# Altium PCB RS2-708_V009.PcbDoc (part 1 of 4) (continued)
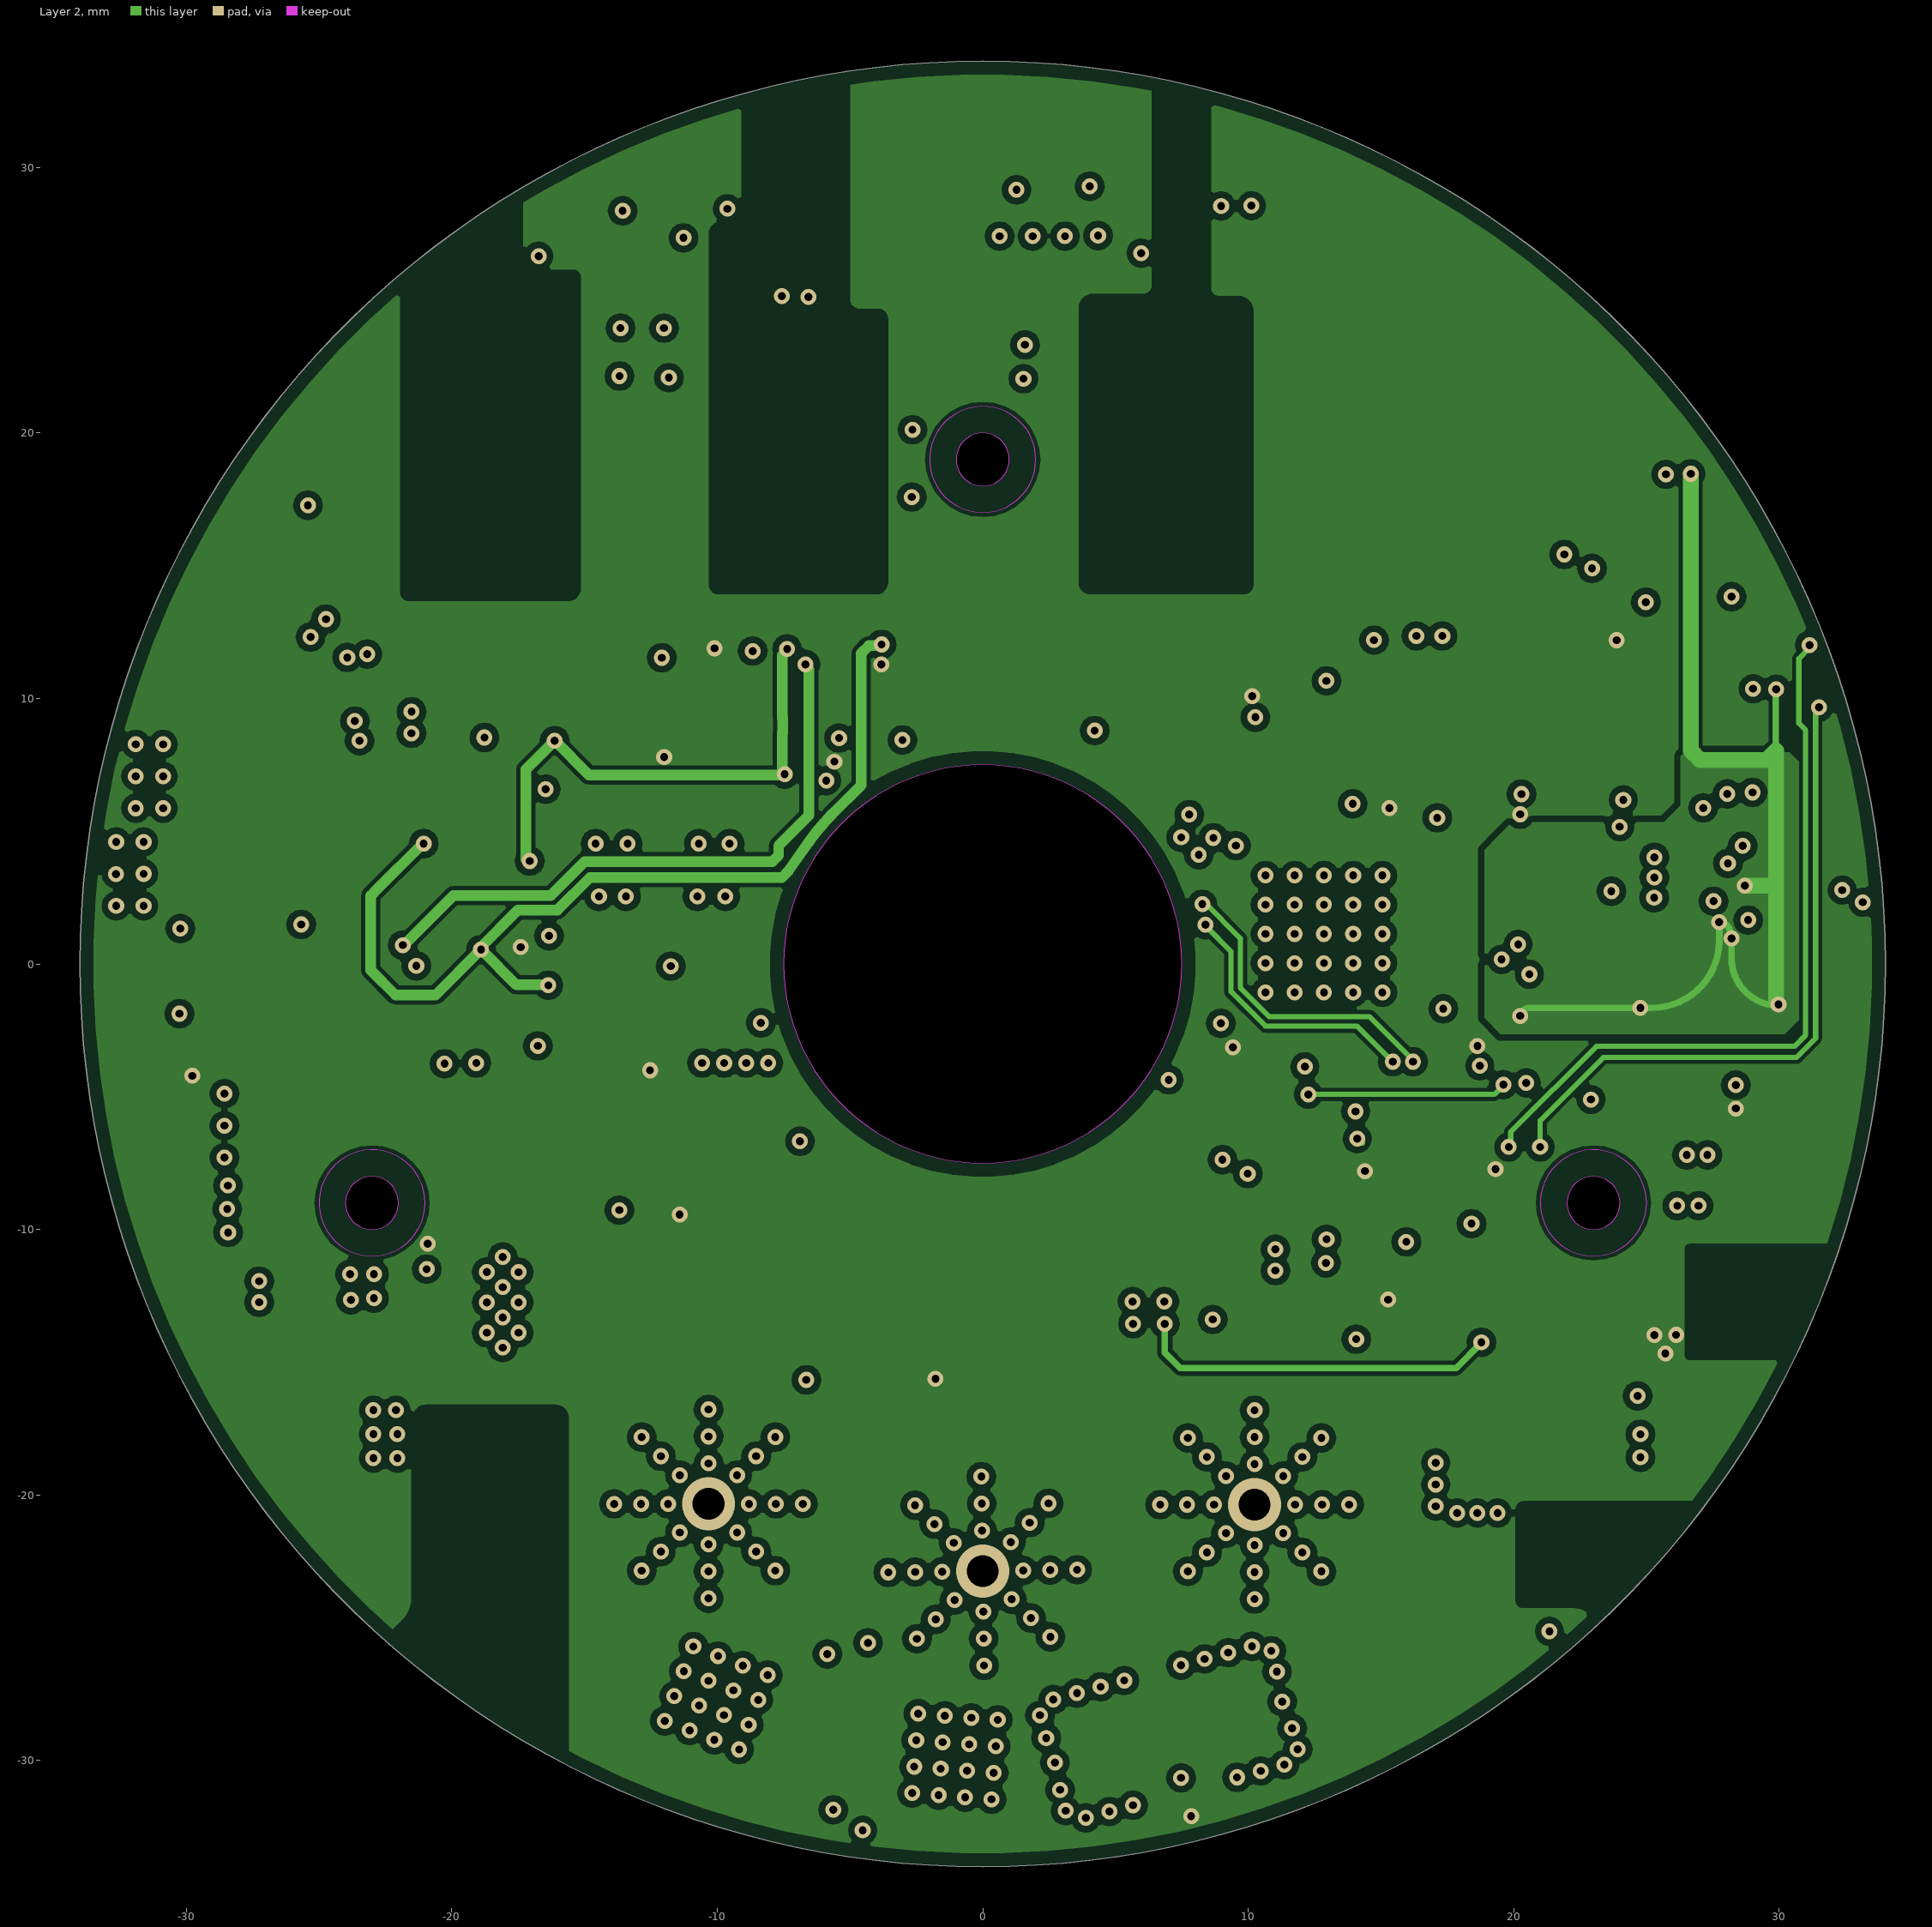
[diagram p3: Layer 2]
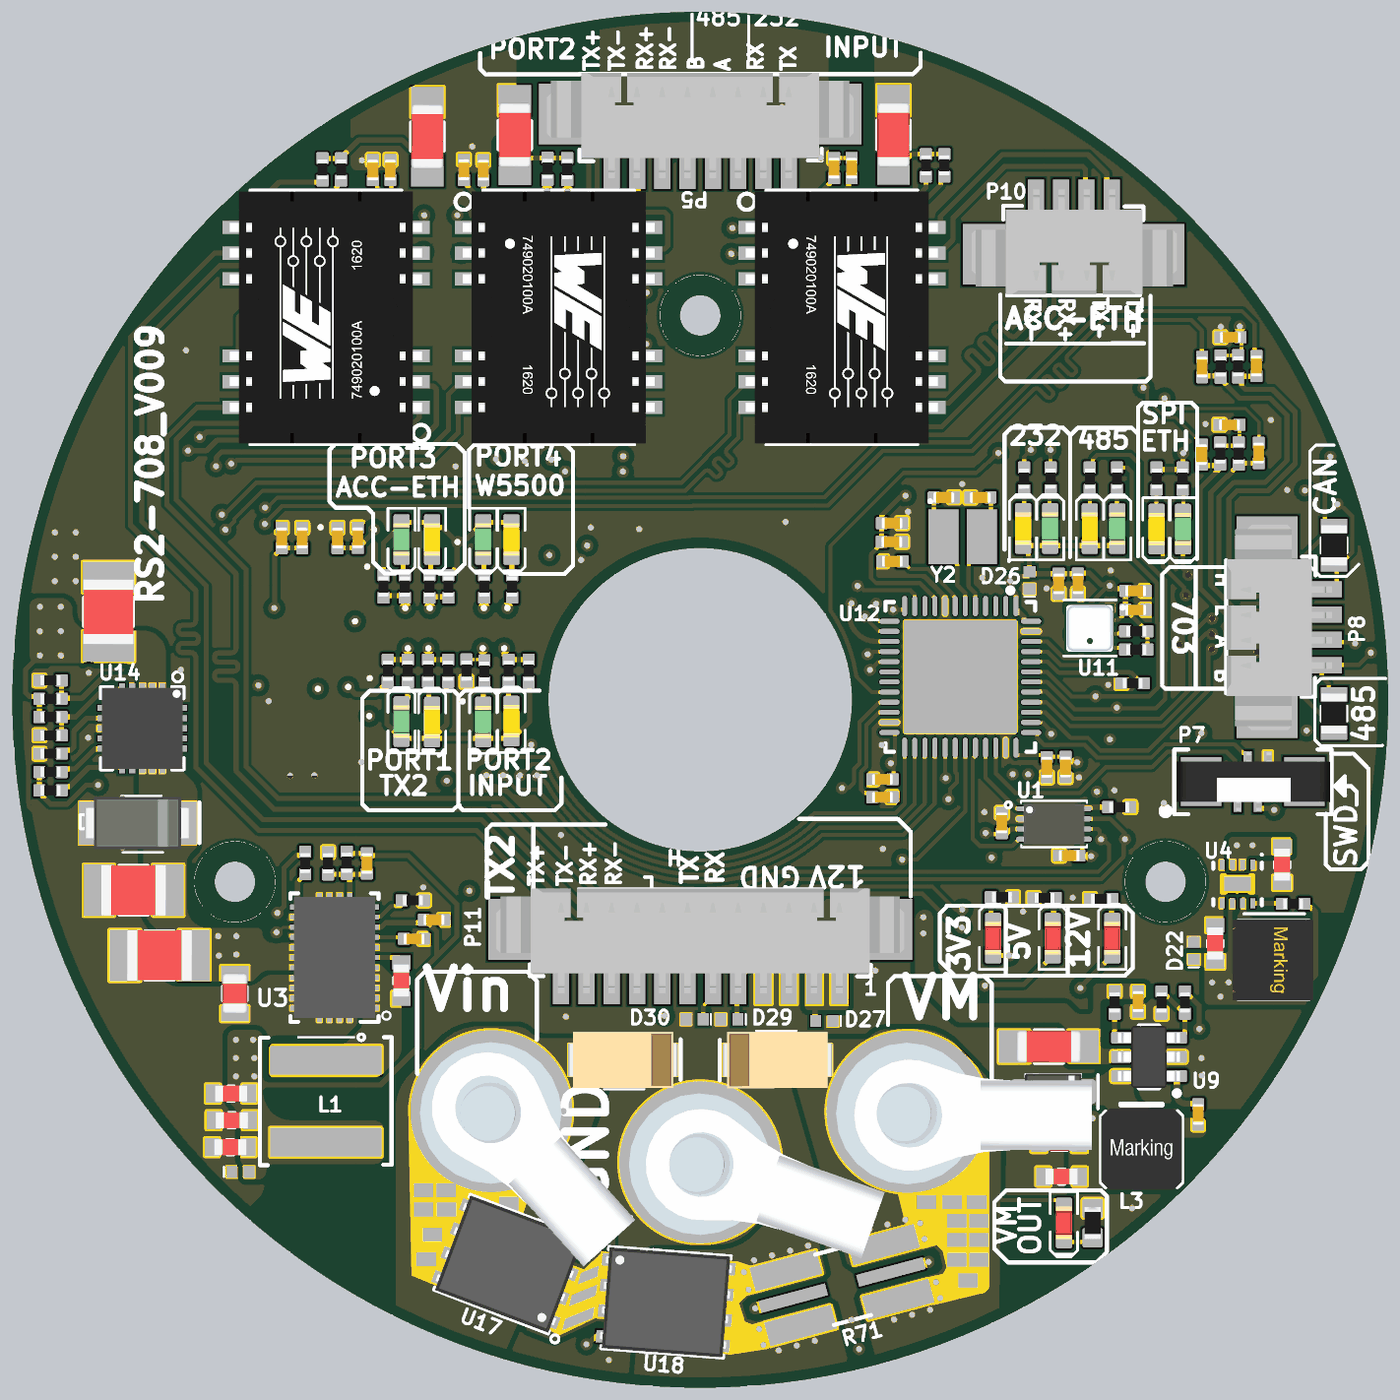
[diagram p7: 3D render of the assembled board from above, using the file's embedded part models]
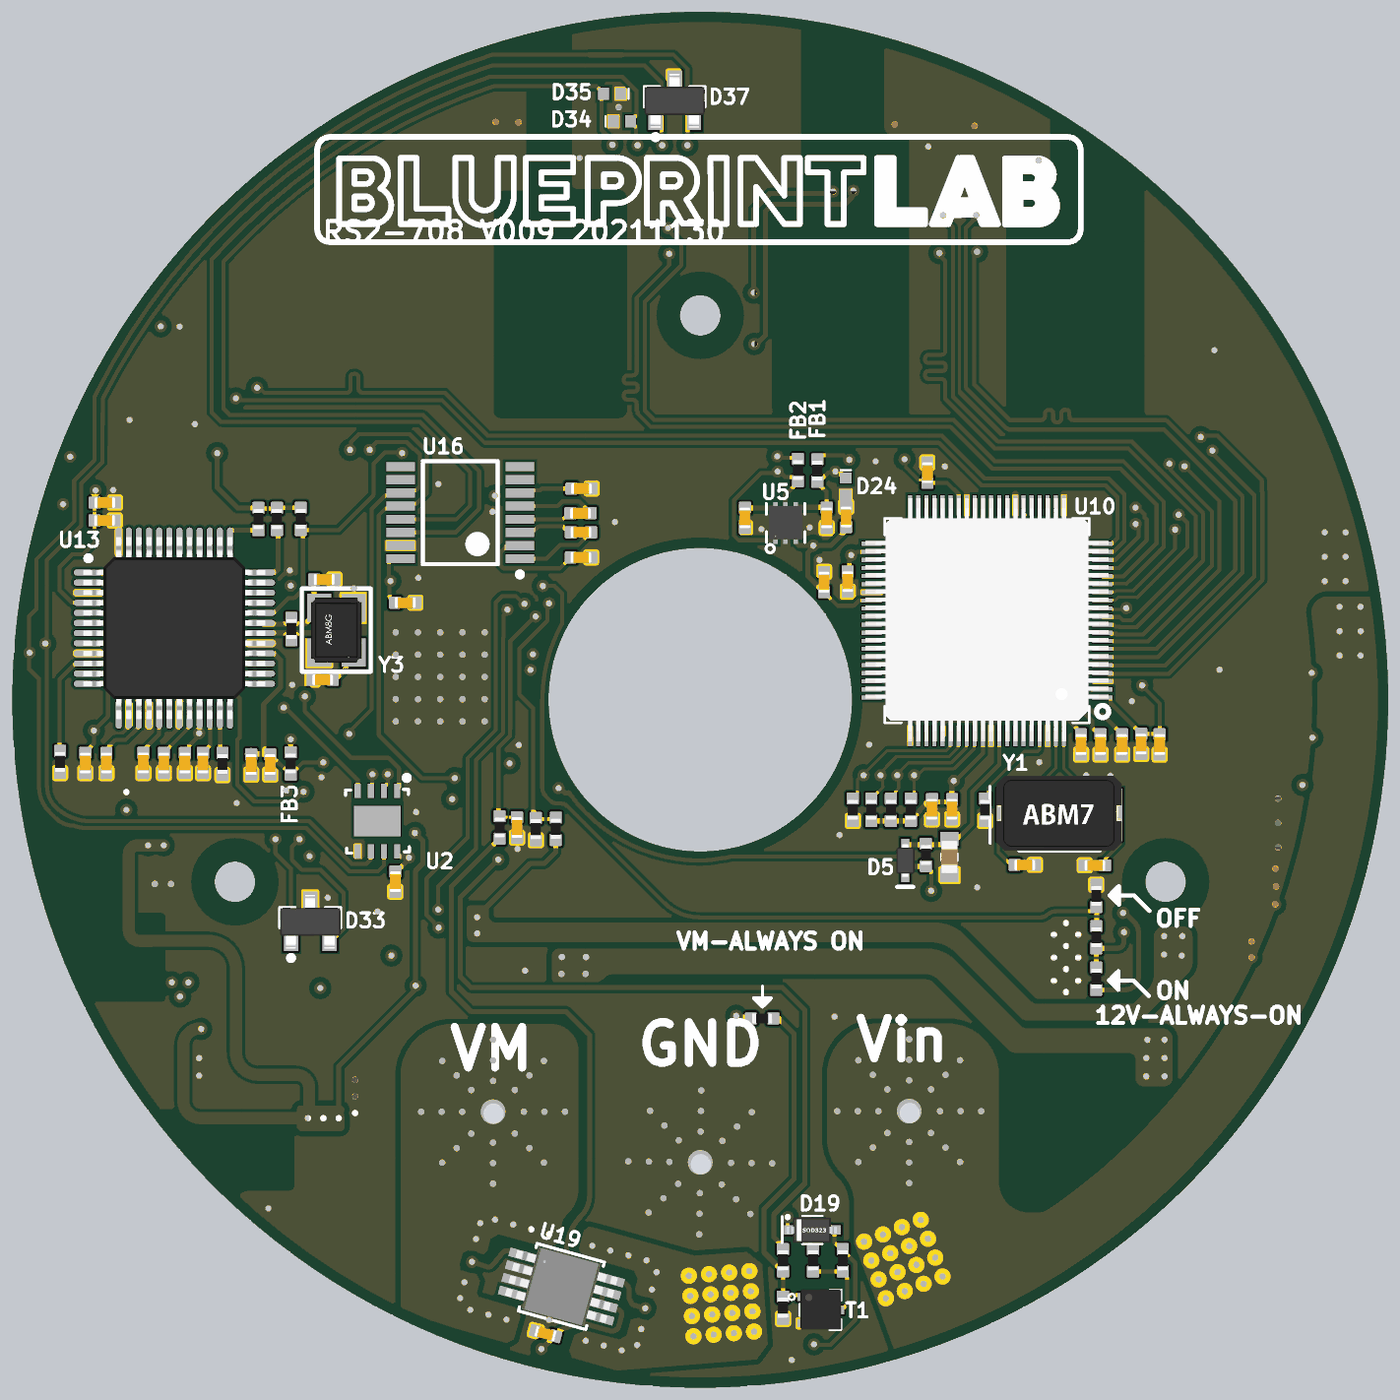
[diagram p8: 3D render of the assembled board from below, using the file's embedded part models]

## Layer stack, top to bottom
Top Solder: solder mask 0.0102, Solder Resist, Dk 3.5
Top Layer: signal copper 0.0356
Dielectric 2: prepreg 0.0711, PP-006, Dk 4.1
Layer 1: signal copper 0.035
Dielectric 1: dielectric 0.5, FR-4, Dk 4.8
Layer 2: signal copper 0.035
Dielectric 3: prepreg 0.0711, PP-006, Dk 4.1
Bottom Layer: signal copper 0.0356
Bottom Solder: solder mask 0.0102, Solder Resist, Dk 3.5

## Board outline
-34,0 ccw(c0,0) 0,-34 ccw(c0,0) 34,0 ccw(c0,0) 0,34 ccw(c0,0)
cut-out: -7.5,0 ccw(c0,0) 0,-7.5 ccw(c0,0) 7.5,0 ccw(c0,0) 0,7.5 ccw(c0,0)
cut-out: 22,-9 ccw(c23,-9) 23,-10 ccw(c23,-9) 24,-9 ccw(c23,-9) 23,-8 ccw(c23,-9)
cut-out: -24,-9 ccw(c-23,-9) -23,-10 ccw(c-23,-9) -22,-9 ccw(c-23,-9) -23,-8 ccw(c-23,-9)
cut-out: -1,19 ccw(c0,19) 0,18 ccw(c0,19) 1,19 ccw(c0,19) 0,20 ccw(c0,19)

## Design rules (kind name [scope] priority, off if disabled: settings)
BoardOutlineClearance [All] p1: gap=0.3 ignorepadtopadclearanceinfootprint=FALSE except(0: Region-OutlineEdge Region-CavityEdge Region-CutoutEdge Region-SplitBarrior Region-SplitContinuation Text-OutlineEdge Text-CavityEdge Text-CutoutEdge Text-SplitBarrior Text-SplitContinuation; 0.5: Poly-OutlineEdge Poly-CavityEdge Poly-CutoutEdge Poly-SplitBarrior Poly-SplitContinuation)
Clearance [All] p1: gap=0.15 ignorepadtopadclearanceinfootprint=FALSE except(0.1: SMDPad-SMDPad; 0.25: THPad-Fill THPad-Poly THPad-Region Via-Fill Via-Poly Via-Region Fill-Fill Fill-Poly Fill-Region Poly-Poly Poly-Region Region-Region)
ComponentClearance [HasFootprint('Power_M3_Eyelet_Up')] p1: gap=0 collisioncheckmode=3 verticalgap=0 showdistances=FALSE
ComponentClearance ComponentClearance_1 [All] p2: gap=0.254 collisioncheckmode=3 verticalgap=0.254 showdistances=FALSE
DiffPairsRouting "Schematic Differential Pairs Routing_5" [InNet('B_TX+')] p1: maxlimit=0.25 minlimit=0.15 mostfreqgap=0.2 toplayer_minwidth=0.15 toplayer_maxwidth=0.2 toplayer_prefwidth=0.2 midlayer1_mingap=0.2 midlayer1_minwidth=0.25 midlayer1_maxwidth=0.25 midlayer1_prefwidth=0.25 midlayer2_mingap=0.2 midlayer2_minwidth=0.25 midlayer2_maxwidth=0.25 midlayer2_prefwidth=0.25 bottomlayer_minwidth=0.15 bottomlayer_maxwidth=0.2 bottomlayer_prefwidth=0.2 maxuncoupledlength=10
DiffPairsRouting "Schematic Differential Pairs Routing_3" [InNet('B_RX+')] p2: maxlimit=0.25 minlimit=0.15 mostfreqgap=0.2 toplayer_minwidth=0.15 toplayer_maxwidth=0.2 toplayer_prefwidth=0.2 midlayer1_mingap=0.2 midlayer1_minwidth=0.25 midlayer1_maxwidth=0.25 midlayer1_prefwidth=0.25 midlayer2_mingap=0.2 midlayer2_minwidth=0.25 midlayer2_maxwidth=0.25 midlayer2_prefwidth=0.25 bottomlayer_minwidth=0.15 bottomlayer_maxwidth=0.2 bottomlayer_prefwidth=0.2 maxuncoupledlength=10
DiffPairsRouting "Schematic Differential Pairs Routing_2" [InNet('D_RD_N')] p3: maxlimit=0.25 minlimit=0.15 mostfreqgap=0.2 toplayer_minwidth=0.15 toplayer_maxwidth=0.2 toplayer_prefwidth=0.2 midlayer1_mingap=0.2 midlayer1_minwidth=0.25 midlayer1_maxwidth=0.25 midlayer1_prefwidth=0.25 midlayer2_mingap=0.2 midlayer2_minwidth=0.25 midlayer2_maxwidth=0.25 midlayer2_prefwidth=0.25 bottomlayer_minwidth=0.15 bottomlayer_maxwidth=0.2 bottomlayer_prefwidth=0.2 maxuncoupledlength=10
DiffPairsRouting "Schematic Differential Pairs Routing_28" [InNet('B_RD_P')] p4: maxlimit=0.25 minlimit=0.15 mostfreqgap=0.2 toplayer_minwidth=0.15 toplayer_maxwidth=0.2 toplayer_prefwidth=0.2 midlayer1_mingap=0.2 midlayer1_minwidth=0.25 midlayer1_maxwidth=0.25 midlayer1_prefwidth=0.25 midlayer2_mingap=0.2 midlayer2_minwidth=0.25 midlayer2_maxwidth=0.25 midlayer2_prefwidth=0.25 bottomlayer_minwidth=0.15 bottomlayer_maxwidth=0.2 bottomlayer_prefwidth=0.2 maxuncoupledlength=10
DiffPairsRouting "Schematic Differential Pairs Routing_26" [InNet('D_TD_N')] p5: maxlimit=0.25 minlimit=0.15 mostfreqgap=0.2 toplayer_minwidth=0.15 toplayer_maxwidth=0.2 toplayer_prefwidth=0.2 midlayer1_mingap=0.2 midlayer1_minwidth=0.25 midlayer1_maxwidth=0.25 midlayer1_prefwidth=0.25 midlayer2_mingap=0.2 midlayer2_minwidth=0.25 midlayer2_maxwidth=0.25 midlayer2_prefwidth=0.25 bottomlayer_minwidth=0.15 bottomlayer_maxwidth=0.2 bottomlayer_prefwidth=0.2 maxuncoupledlength=10
DiffPairsRouting "Schematic Differential Pairs Routing_22" [InNet('C_RD_P')] p6: maxlimit=0.25 minlimit=0.15 mostfreqgap=0.2 toplayer_minwidth=0.15 toplayer_maxwidth=0.2 toplayer_prefwidth=0.2 midlayer1_minwidth=0.004 midlayer1_maxwidth=0.25 midlayer1_prefwidth=0.25 midlayer2_minwidth=0.004 midlayer2_maxwidth=0.25 midlayer2_prefwidth=0.25 bottomlayer_minwidth=0.15 bottomlayer_maxwidth=0.2 bottomlayer_prefwidth=0.2 maxuncoupledlength=10
DiffPairsRouting "Schematic Differential Pairs Routing_13" [InNet('A_RD_P')] p7: maxlimit=0.25 minlimit=0.15 mostfreqgap=0.2 toplayer_minwidth=0.15 toplayer_maxwidth=0.2 toplayer_prefwidth=0.2 midlayer1_mingap=0.2 midlayer1_minwidth=0.25 midlayer1_maxwidth=0.25 midlayer1_prefwidth=0.25 midlayer2_mingap=0.2 midlayer2_minwidth=0.25 midlayer2_maxwidth=0.25 midlayer2_prefwidth=0.25 bottomlayer_minwidth=0.15 bottomlayer_maxwidth=0.2 bottomlayer_prefwidth=0.2 maxuncoupledlength=10
DiffPairsRouting "Schematic Differential Pairs Routing_21" [InNet('A_RD_N')] p8: maxlimit=0.25 minlimit=0.15 mostfreqgap=0.2 toplayer_minwidth=0.15 toplayer_maxwidth=0.2 toplayer_prefwidth=0.2 midlayer1_mingap=0.2 midlayer1_minwidth=0.25 midlayer1_maxwidth=0.25 midlayer1_prefwidth=0.25 midlayer2_mingap=0.2 midlayer2_minwidth=0.25 midlayer2_maxwidth=0.25 midlayer2_prefwidth=0.25 bottomlayer_minwidth=0.15 bottomlayer_maxwidth=0.2 bottomlayer_prefwidth=0.2 maxuncoupledlength=10
DiffPairsRouting "Schematic Differential Pairs Routing" [InNet('D_RD_P')] p9: maxlimit=0.25 minlimit=0.15 mostfreqgap=0.2 toplayer_minwidth=0.15 toplayer_maxwidth=0.2 toplayer_prefwidth=0.2 midlayer1_mingap=0.2 midlayer1_minwidth=0.25 midlayer1_maxwidth=0.25 midlayer1_prefwidth=0.25 midlayer2_mingap=0.2 midlayer2_minwidth=0.25 midlayer2_maxwidth=0.25 midlayer2_prefwidth=0.25 bottomlayer_minwidth=0.15 bottomlayer_maxwidth=0.2 bottomlayer_prefwidth=0.2 maxuncoupledlength=10
DiffPairsRouting "Schematic Differential Pairs Routing_40" [InNet('STM_RX_N')] p10 off: maxlimit=0.25 minlimit=0.15 mostfreqgap=0.2 toplayer_minwidth=0.15 toplayer_maxwidth=0.2 toplayer_prefwidth=0.2 midlayer1_mingap=0.2 midlayer1_minwidth=0.25 midlayer1_maxwidth=0.25 midlayer1_prefwidth=0.25 midlayer2_mingap=0.2 midlayer2_minwidth=0.25 midlayer2_maxwidth=0.25 midlayer2_prefwidth=0.25 bottomlayer_minwidth=0.15 bottomlayer_maxwidth=0.2 bottomlayer_prefwidth=0.2 maxuncoupledlength=10
DiffPairsRouting "Schematic Differential Pairs Routing_39" [InNet('B_RD_N')] p11 off: maxlimit=0.25 minlimit=0.15 mostfreqgap=0.2 toplayer_minwidth=0.15 toplayer_maxwidth=0.2 toplayer_prefwidth=0.2 midlayer1_mingap=0.2 midlayer1_minwidth=0.25 midlayer1_maxwidth=0.25 midlayer1_prefwidth=0.25 midlayer2_mingap=0.2 midlayer2_minwidth=0.25 midlayer2_maxwidth=0.25 midlayer2_prefwidth=0.25 bottomlayer_minwidth=0.15 bottomlayer_maxwidth=0.2 bottomlayer_prefwidth=0.2 maxuncoupledlength=10
DiffPairsRouting "Schematic Differential Pairs Routing_37" [InNet('A_TD_N')] p12 off: maxlimit=0.25 minlimit=0.15 mostfreqgap=0.2 toplayer_minwidth=0.15 toplayer_maxwidth=0.2 toplayer_prefwidth=0.2 midlayer1_mingap=0.2 midlayer1_minwidth=0.25 midlayer1_maxwidth=0.25 midlayer1_prefwidth=0.25 midlayer2_mingap=0.2 midlayer2_minwidth=0.25 midlayer2_maxwidth=0.25 midlayer2_prefwidth=0.25 bottomlayer_minwidth=0.15 bottomlayer_maxwidth=0.2 bottomlayer_prefwidth=0.2 maxuncoupledlength=10
DiffPairsRouting "Schematic Differential Pairs Routing_36" [InNet('C_TD_N')] p13 off: maxlimit=0.25 minlimit=0.15 mostfreqgap=0.2 toplayer_minwidth=0.15 toplayer_maxwidth=0.2 toplayer_prefwidth=0.2 midlayer1_minwidth=0.004 midlayer1_maxwidth=0.25 midlayer1_prefwidth=0.25 midlayer2_minwidth=0.004 midlayer2_maxwidth=0.25 midlayer2_prefwidth=0.25 bottomlayer_minwidth=0.15 bottomlayer_maxwidth=0.2 bottomlayer_prefwidth=0.2 maxuncoupledlength=10
DiffPairsRouting "Schematic Differential Pairs Routing_9" [InNet('C_RD_N')] p14 off: maxlimit=0.25 minlimit=0.15 mostfreqgap=0.2 toplayer_minwidth=0.15 toplayer_maxwidth=0.2 toplayer_prefwidth=0.2 midlayer1_minwidth=0.004 midlayer1_maxwidth=0.25 midlayer1_prefwidth=0.25 midlayer2_minwidth=0.004 midlayer2_maxwidth=0.25 midlayer2_prefwidth=0.25 bottomlayer_minwidth=0.15 bottomlayer_maxwidth=0.2 bottomlayer_prefwidth=0.2 maxuncoupledlength=10
DiffPairsRouting "Schematic Differential Pairs Routing_8" [InNet('B_RX-')] p15 off: maxlimit=0.25 minlimit=0.15 mostfreqgap=0.2 toplayer_minwidth=0.15 toplayer_maxwidth=0.2 toplayer_prefwidth=0.2 midlayer1_mingap=0.2 midlayer1_minwidth=0.25 midlayer1_maxwidth=0.25 midlayer1_prefwidth=0.25 midlayer2_mingap=0.2 midlayer2_minwidth=0.25 midlayer2_maxwidth=0.25 midlayer2_prefwidth=0.25 bottomlayer_minwidth=0.15 bottomlayer_maxwidth=0.2 bottomlayer_prefwidth=0.2 maxuncoupledlength=10
DiffPairsRouting "Schematic Differential Pairs Routing_1" [InNet('B_TD_P')] p16 off: maxlimit=0.25 minlimit=0.15 mostfreqgap=0.2 toplayer_minwidth=0.15 toplayer_maxwidth=0.2 toplayer_prefwidth=0.2 midlayer1_mingap=0.2 midlayer1_minwidth=0.25 midlayer1_maxwidth=0.25 midlayer1_prefwidth=0.25 midlayer2_mingap=0.2 midlayer2_minwidth=0.25 midlayer2_maxwidth=0.25 midlayer2_prefwidth=0.25 bottomlayer_minwidth=0.15 bottomlayer_maxwidth=0.2 bottomlayer_prefwidth=0.2 maxuncoupledlength=10
DiffPairsRouting "Schematic Differential Pairs Routing_19" [InNet('D_TD_P')] p17 off: maxlimit=0.25 minlimit=0.15 mostfreqgap=0.2 toplayer_minwidth=0.15 toplayer_maxwidth=0.2 toplayer_prefwidth=0.2 midlayer1_mingap=0.2 midlayer1_minwidth=0.25 midlayer1_maxwidth=0.25 midlayer1_prefwidth=0.25 midlayer2_mingap=0.2 midlayer2_minwidth=0.25 midlayer2_maxwidth=0.25 midlayer2_prefwidth=0.25 bottomlayer_minwidth=0.15 bottomlayer_maxwidth=0.2 bottomlayer_prefwidth=0.2 maxuncoupledlength=10
DiffPairsRouting "Schematic Differential Pairs Routing_18" [InNet('C_TD_P')] p18 off: maxlimit=0.25 minlimit=0.15 mostfreqgap=0.2 toplayer_minwidth=0.15 toplayer_maxwidth=0.2 toplayer_prefwidth=0.2 midlayer1_minwidth=0.004 midlayer1_maxwidth=0.25 midlayer1_prefwidth=0.25 midlayer2_minwidth=0.004 midlayer2_maxwidth=0.25 midlayer2_prefwidth=0.25 bottomlayer_minwidth=0.15 bottomlayer_maxwidth=0.2 bottomlayer_prefwidth=0.2 maxuncoupledlength=10
DiffPairsRouting "Schematic Differential Pairs Routing_7" [InNet('B_TD_N')] p19 off: maxlimit=0.25 minlimit=0.15 mostfreqgap=0.2 toplayer_minwidth=0.15 toplayer_maxwidth=0.2 toplayer_prefwidth=0.2 midlayer1_mingap=0.2 midlayer1_minwidth=0.25 midlayer1_maxwidth=0.25 midlayer1_prefwidth=0.25 midlayer2_mingap=0.2 midlayer2_minwidth=0.25 midlayer2_maxwidth=0.25 midlayer2_prefwidth=0.25 bottomlayer_minwidth=0.15 bottomlayer_maxwidth=0.2 bottomlayer_prefwidth=0.2 maxuncoupledlength=10
DiffPairsRouting "Schematic Differential Pairs Routing_4" [InNet('A_TD_P')] p20 off: maxlimit=0.25 minlimit=0.15 mostfreqgap=0.2 toplayer_minwidth=0.15 toplayer_maxwidth=0.2 toplayer_prefwidth=0.2 midlayer1_mingap=0.2 midlayer1_minwidth=0.25 midlayer1_maxwidth=0.25 midlayer1_prefwidth=0.25 midlayer2_mingap=0.2 midlayer2_minwidth=0.25 midlayer2_maxwidth=0.25 midlayer2_prefwidth=0.25 bottomlayer_minwidth=0.15 bottomlayer_maxwidth=0.2 bottomlayer_prefwidth=0.2 maxuncoupledlength=10
DiffPairsRouting [All] p21: maxlimit=0.25 minlimit=0.15 mostfreqgap=0.2 toplayer_minwidth=0.15 toplayer_maxwidth=0.2 toplayer_prefwidth=0.2 midlayer1_minwidth=0.15 midlayer1_maxwidth=0.2 midlayer1_prefwidth=0.2 midlayer2_minwidth=0.15 midlayer2_maxwidth=0.2 midlayer2_prefwidth=0.2 bottomlayer_minwidth=0.15 bottomlayer_maxwidth=0.2 bottomlayer_prefwidth=0.2 maxuncoupledlength=12.7
HoleSize [All] p1: absolutevalues=TRUE maxlimit=2.54 minlimit=0.3 maxpercent=80.000 minpercent=20.000
MinimumAnnularRing [All] p1: minimumring=0.15
PlaneClearance [All] p1: clearance=0
PlaneConnect [All] p1: planeconnectstyle=Direct reliefexpansion=0.508 reliefentries=4 reliefconductorwidth=0.254 reliefairgap=0.254
PolygonConnect [All] p1: connectstyle=Direct reliefconductorwidth=0.254 reliefentries=4 polygonreliefangle="90 Angle" airgapwidth=0.254
RoomDefinition U_PowerControl [InComponentClass('U_PowerControl')] p1 off: confinementstyle=ConfineIn formatcopy=TRUE lockcomponents=FALSE outline 71.73,-18.872 77.622,-18.872 77.622,-10.439 71.73,-10.439
RoomDefinition RS2-708_V008 [InComponentClass('RS2-708_V008')] p2 off: confinementstyle=ConfineIn formatcopy=TRUE lockcomponents=FALSE outline 71.933,26.873 122.733,26.873 122.733,52.273 71.933,52.273
RoomDefinition U_CurrentSense [InComponentClass('U_CurrentSense')] p3 off: confinementstyle=ConfineIn formatcopy=TRUE lockcomponents=FALSE outline 50.216,-17.491 68.809,-17.491 68.809,-10.582 50.216,-10.582
RoomDefinition U_W5500_ETH-SPI [InComponentClass('U_W5500_ETH-SPI')] p4 off: confinementstyle=ConfineIn formatcopy=TRUE lockcomponents=FALSE outline 35.636,89.205 209.55,89.205 209.55,104.292 35.636,104.292
RoomDefinition U_VoltageRegulators [InComponentClass('U_VoltageRegulators')] p5 off: confinementstyle=ConfineIn formatcopy=TRUE lockcomponents=FALSE outline 35.636,72.873 137.566,72.873 137.566,87.96 35.636,87.96
RoomDefinition U_STM32 [InComponentClass('U_STM32')] p6 off: confinementstyle=ConfineIn formatcopy=TRUE lockcomponents=FALSE outline 35.636,56.54 99.187,56.54 99.187,71.628 35.636,71.628
RoomDefinition U_Serial [InComponentClass('U_Serial')] p7 off: confinementstyle=ConfineIn formatcopy=TRUE lockcomponents=FALSE outline 35.636,40.208 69.19,40.208 69.19,55.296 35.636,55.296
RoomDefinition U_Sensors [InComponentClass('U_Sensors')] p8 off: confinementstyle=ConfineIn formatcopy=TRUE lockcomponents=FALSE outline 35.636,23.876 52.959,23.876 52.959,38.964 35.636,38.964
RoomDefinition U_KSZ8795CLX [InComponentClass('U_KSZ8795CLX')] p9 off: confinementstyle=ConfineIn formatcopy=TRUE lockcomponents=FALSE outline 44.448,7.481 226.235,7.481 226.235,22.671 44.448,22.671
RoomDefinition U_EthTransformers [InComponentClass('U_EthTransformers')] p10 off: confinementstyle=ConfineIn formatcopy=TRUE lockcomponents=FALSE outline 35.538,-8.798 161.344,-8.798 161.344,6.289 35.538,6.289
RoutingVias [All] p1: holewidth=0.3 width=0.6 viastyle="Through Hole" minholewidth=0.3 minwidth=0.6 maxholewidth=1 maxwidth=1
SolderMaskExpansion [All] p1: expansion=0.102 istentingtop=FALSE
Width [All] p1: maxlimit=1 minlimit=0.15 preferedwidth=0.25 minimp=50.000000 maximp=50.000000 favimp=50.000000
25 further rules are at their usual default settings.

## Classes and differential pairs
component class U_PowerControl: C86 C87 D19 D31 R47 R48 R49 R50 R51 R59 R64 R65 R71 R72 R73 R74 R75 T1 U14 U17 U18
component class U_CurrentSense: C83 C84 R76 U19
differential pair class DIFF_D: D_RD D_TD
differential pair class DIFF_C: C_RD C_TD
differential pair class DIFF_B: B_RD B_TD
component class U_W5500_ETH-SPI: C59 C60 C61 C62 C64 C67 C68 C69 C70 C71 C72 C73 C74 C75 D14 D15 FB3 R52 R53 R54 R55 R56 R57 R58 R60 R61 R62 R63 R66 U13 Y3
component class U_STM32: C48 C49 C50 C51 C52 C53 C54 C55 C56 C57 C58 D26 R43 R44 R45 U12 Y2
component class U_Serial: C1 C2 C3 C78 C79 C80 C81 C82 D1 D2 D17 D18 R1 R2 R3 R69 R70 U1 U2 U16
component class U_Sensors: C46 C47 R41 R42 U11
component class U_KSZ8795CLX: C29 C30 C31 C32 C33 C34 C35 C36 C37 C38 C39 C40 C41 C42 C43 C44 C45 D5 D6 D7 D8 D9 D10 D11 D12 D13 FB1 FB2 R19 R20 R21 R22 R23 R24 R25 R26 R27 R28 R29 R30 R31 R32 R33 R34 R35 R36 R37 R38 U10 Y1
component class RS2-708_V008: D20 D21 D27 D29 D30 D33 D34 D35 D37 P1 P5 P6 P7 P8 P9 P10 P11 R39 R40 W1 W2 W3
differential pair class DIFF_A: A_RD A_TD
component class U_EthTransformers: C17 C18 C19 C20 C21 C22 C23 C24 C25 C26 C27 C28 C63 R11 R12 R13 R14 R15 R16 U6 U7 U8
component class U_VoltageRegulators: C4 C5 C6 C7 C8 C9 C10 C11 C12 C13 C14 C15 C16 C65 C66 C76 C77 C85 C88 D3 D4 D16 D22 D23 D24 D25 D36 L1 L2 L3 R4 R5 R6 R7 R8 R9 R10 R17 R18 R46 R67 R68 R77 R78 R79 U3 U4 U5 U9
differential pair D_TD: +D_TD_P -D_TD_N
differential pair D_RD: +D_RD_P -D_RD_N
differential pair C_TD: +C_TD_P -C_TD_N
differential pair C_RD: +C_RD_P -C_RD_N
differential pair B_TD: +B_TD_P -B_TD_N
differential pair B_RD: +B_RD_P -B_RD_N
differential pair A_TD: +A_TD_P -A_TD_N
differential pair A_RD: +A_RD_P -A_RD_N
